# Altium PCB LimeSDR-USB_1v4s.PcbDoc (part 8 of 10) (continued)
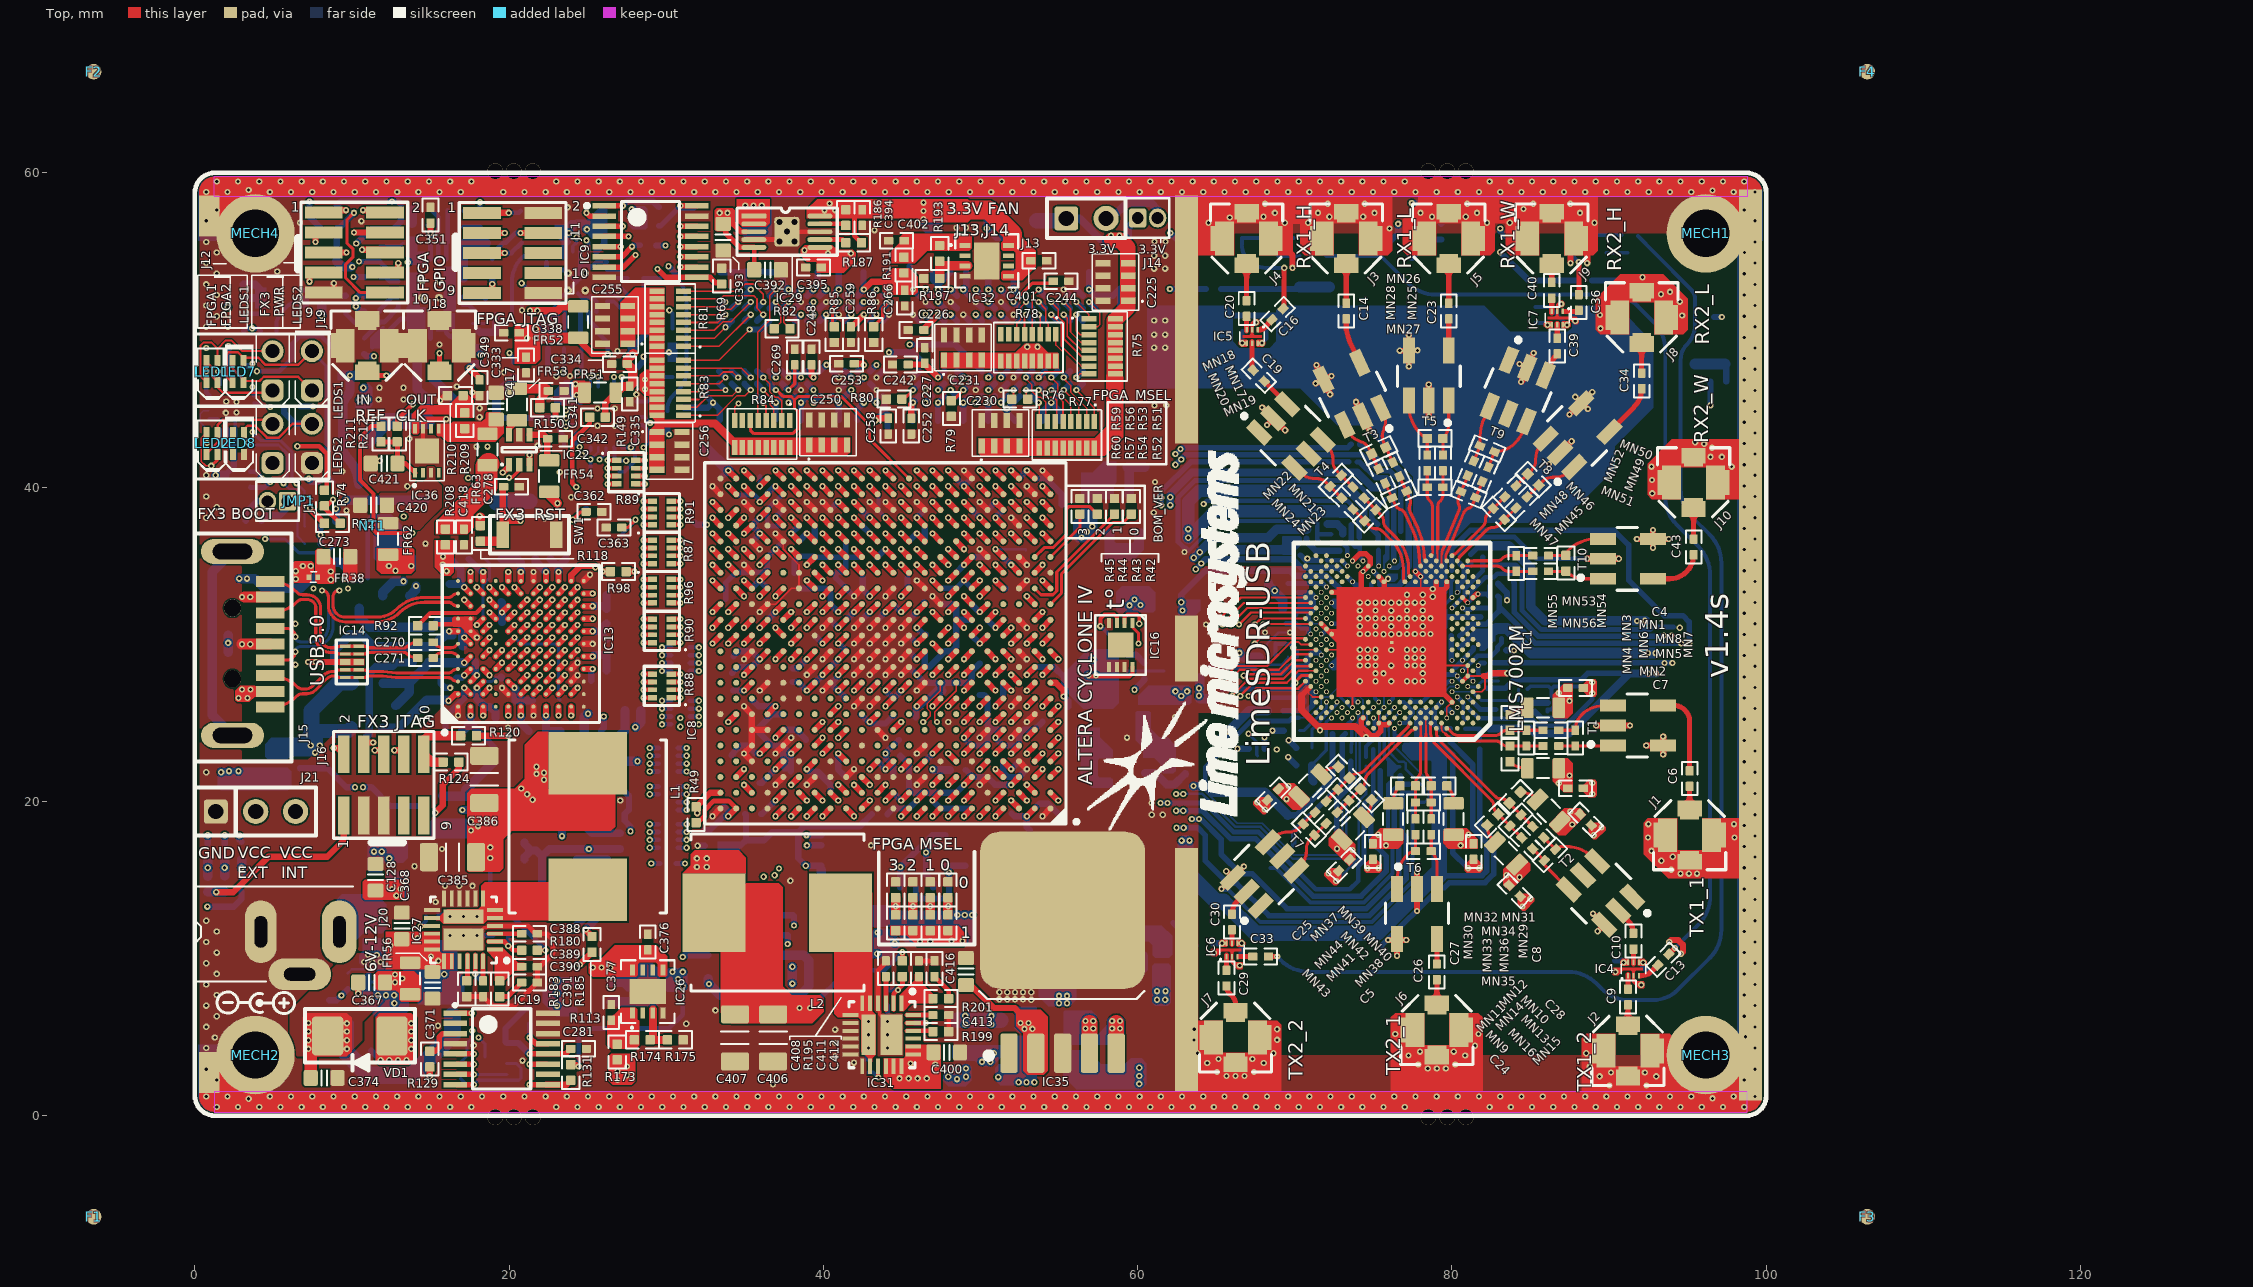
[diagram p0: Top view]
## Nets (pads, with @x,y where several pads share a name; then routed paths per layer and width w, separated by ;. In a path a pad name is that pad's centre, name@x,y a point inside that pad or via, vN(x,y) a via of type N, cw(c..) or ccw(c..) an arc to the next point about the centre after c; other vN are vias at no path point) (continued)
  Bottom w0.4: R15.2@74.445,55.712 74.52,55.637 76.062,55.637 76.575,56.15 v1(76.575,56.75) ; FR12.2@83.436,25.869 84.131,25.869 84.288,25.712 85.279,25.712 85.721,25.269 87.065,25.269 87.48,25.684 v1(87.48,26.397) 86.98,26.897 v1(86.805,26.897) ; R19.2@96.675,50.825 v1(97.175,50.825)
  Bottom w0.6: v1(63.572,35.503) 64.844,36.775 68.3,36.775 68.85,37.325 R41.1@70.75,37.325
  other v1: 61.225,7.375 61.75,7.375 61.225,7.925 61.775,7.925 84.3,15.171 83.469,15.295 73.666,16.907 75.806,17.199 80.555,17.199 75.306,17.874 81.055,17.874 87.658,18.529 63.9,18.875 87.534,19.36 69.477,20.141 69.6,20.972 86.805,21.148 87.48,21.648 62.775,41.75
VCC1P25_LMS: FR1.2 FR2.1 FR4.1 FR5.1 FR8.2 FR9.1 FR11.2 FR13.2 FR14.1 FR15.2 FR18.1 FR22.2 FR25.2 FR26.2 FR27.1 FR28.1 FR30.1 R35.1 R36.2 R38.1 R39.2 R40.1 R192.1 | length 337.4
  L10 w0.35: 61.272,39.075 v1(61.497,38.85) ; 61.272,39.1 v1(61.497,39.325) ; v1(62.45,19.4) 66.75,19.4 67.2,18.95
  L10 w0.6: 58.025,39.075 61.272,39.075
  L10 w0.8: v1(62.8,17.5) 66.35,17.5 67.5,18.65 ; v1(63.55,20.975) 67.75,20.975 69.35,19.375 69.75,19.375 ; 67.373,18.777 68.38,18.777 68.552,18.95 70.175,18.95
  L10 w1: v1(63.222,36.778) v1(63.222,37.325) 63.222,38.05 63.75,38.05 64.9,36.9 64.9,35.6 64.363,35.063 ; 65.463,41.862 65.463,41.962
  L10 w1.2: 63.222,38.05 63.222,39.622 65.463,41.862
  L10 w2: 64,43.425 65.463,41.962 68.525,38.9 82.475,38.9 87.425,33.95 89.306,33.95 v1(91.775,31.481) 91.775,30.2 ; 70.525,19.174 80.517,19.174 84.9,23.558 84.9,26.831 88.269,30.2 91.775,30.2 ; 92.225,28.35 92.225,29.75 91.775,30.2
  L10 w2.5: v1(56.775,37.15) 56.775,38.825 61.225,43.275 ; 61.375,43.425 64,43.425
  Bottom w0.11: 64.425,20.525 66.343,18.607 67.918,18.607 69.945,16.58 72.802,16.58 73.04,16.818 73.04,19.997 73.896,20.853 73.896,24.514 74.342,24.96 74.342,26.01 74.342,26.45 73.776,27.016 73.776,27.785 73.994,28.003 74.631,28.003 R35.1@74.651,28.024 ; 70.251,25.319 70.876,25.319 71.684,26.127 71.684,26.45 71.877,26.643 72.145,26.643 72.846,27.345 FR4.1@72.846,27.544
  Bottom w0.3: 64.3,20.975 64.3,22.186 67.232,25.119 69.651,25.119 69.851,25.319 70.251,25.319
  Bottom w0.35: v1(61.497,38.85) v1(61.497,39.325) 61.497,39.715 63.381,41.6 FR25.2@73.42,41.6 ; v1@62.4,42.075 62.825,42.5 73.365,42.5 FR5.1@73.59,42.725 ; v1@62.425,19.4 v1(62.45,19.4) v1(62.9,19.4) 64.143,19.4 65.915,17.627 67.512,17.627 71.164,13.975 74.227,13.975 75.805,15.553 75.805,16.511 74.831,17.485 74.831,19.656 75.426,20.251 FR13.2@75.426,21.939 ; R38.1@75.276,37.644 75.251,37.644 74.896,37.999 74.896,38.625 73.796,39.725 73.5,39.725 73.5,39.565 74.446,38.619 74.446,37.795 75.326,36.915 FR22.2@75.326,36.619 ; 79.188,15.274 81.927,15.274 82.205,15.553 82.205,17.396 81.325,18.276 81.325,22.345 79.901,23.769 FR1.2@79.901,24.064 ; FR18.1@80.505,29.775 81.544,30.814 82.689,30.814 ; FR28.1@81.191,35.714 81.587,36.11 ; R36.2@82.251,27.194 83.394,27.194 83.93,27.73 88.23,27.73 88.637,28.137 90.973,28.137 91.287,28.137
  Bottom w0.4: v1(63.693,34.775) v1(64.05,35.132) 64.318,35.4 69.87,35.4 70.406,34.864 71.765,34.864 71.77,34.869 71.772,34.869 71.777,34.864 72.325,34.864 72.33,34.869 72.776,34.869 FR26.2@72.964,34.681 ; 69.55,19.125 70.125,19.125 72.401,21.401 FR2.1@72.401,24.289
  Bottom w0.5: R39.2@82.401,24.629 84.996,24.629 85.306,24.319 87.469,24.319 91.287,28.137 ; 90.973,28.137 v1(93,28.137)
  Bottom w0.6: v1(63.55,20.975) 64.3,20.975 64.7,20.575 68.1,20.575 69.55,19.125 ; 81.752,36.275 83.612,36.275 85.005,34.882 85.005,32.381 85.904,31.481 v1(91.775,31.481) v1@92.325,31.481
  Bottom w0.7: 82.708,30.908 82.794,30.994 83.492,30.994 85.055,29.431 v1(92.475,29.431) v1@92.9,29.431
  Bottom w0.8: 72.726,38.475 64.918,38.475 v1(63.222,36.778) v1(63.222,37.325) 63.222,39.072 63.925,39.775 73.5,39.775
  Bottom w1: 63.05,17.375 63.05,15.584 65.003,13.631 65.469,13.631 67.5,11.6 75.211,11.6 79.037,15.426 ; 78.556,23.382 79.188,22.75 79.188,15.274
  other v1: 63.3,17.5 92.5,28.125 92.95,29.431 92.275,31.5 56.421,36.796 57.111,37.486 62.4,42.1 62.725,42.425
VCC1P25_LMS_DIG: R22.2 R24.2 R26.2 R28.2 R204.1 | length 45.8
  L5 w1.4: 59.85,2.375 59.85,21.375 64.4,25.925 64.4,27.95 63.075,29.275 63.075,32.575
  Bottom w0.4: 62.95,31.65 62.95,32.1 63.325,32.475 ; R28.2@63.675,32.475 63.325,32.475 ; 63.95,27.875 64.65,28.575 67.25,28.575 R22.2@67.75,28.075 ; R26.2@66.225,34.675 64.3,34.675 62.775,33.15 v1(62.775,32.675) 62.975,32.475 63.325,32.475
  Bottom w0.6: 63.95,27.875 63.95,26.525 R24.2@64.975,26.525
  other v1: 60.1,2.025 60.1,2.525 60.1,3.05 63.9,26.725 63.9,27.2 62.85,32.15
VCC2P5: FR37.1 FR47.2 R173.1 R177.2 R211.1 | length 76.9
  Top w0.25: R211.1@11.85,43.875 11.225,43.875 10.5,43.15 10.5,40.45 11.375,39.575 11.375,37.275 11.575,37.075 v1(13.85,37.075)
  L6 w0.5: v1(2.825,34.175) v1(3.325,34.175) 3.625,34.175 5.175,32.625 5.175,18.6 8.6,15.175 22.425,15.175 27.525,10.075 v1@27.525,3.15 ; v1(27.5,2.575) v1(27.5,3.125)
  Bottom w0.3: FR47.2@11,34.2 11,37.875 11.275,38.15 12.425,38.15 13.5,37.075 v1(13.85,37.075)
  Bottom w0.6: v1(2.825,34.175) v1(3.325,34.175) 3.825,34.175 4.45,33.55 6.701,33.55 7.301,34.15 7.6,34.15 8.05,34.6 8.05,34.874 8.401,35.225 9.299,35.225 FR47.2@10.324,34.2
  other v1: 26.9,2.275 48.5,2.325 47.95,2.475 49.075,2.475 26.9,2.825 49.075,3 43.425,10.3 44.55,10.975 43.45,11.65
VCC2P5A_FPGA: C132.2 C133.2 C134.2 C135.2 C136.1 C149.1 C150.1 C151.1 C152.1 FR37.2 IC8.F18 IC8.G6 IC8.T6 IC8.U18 J11.4 R52.1 R54.1 R55.2 R57.1 R58.2 R60.1 | length 120.6
  Top w0.4: v1(20.725,56.175) J11.4@22.175,56.175 ; v2(36.95,24.05) IC8.F18@37.45,24.55 ; v2(36.95,36.05) IC8.U18@37.45,35.55 ; v2(48.95,25.05) IC8.G6@49.45,25.55 ; v2(48.95,34.05) IC8.T6@49.45,34.55
  Top w0.6: R60.1@44.6,11.775 R54.1@46.8,11.775 R52.1@47.925,11.775
  L3 w0.4: v2(36.95,24.05) 37.45,24.55 38.325,24.55 39.438,23.437 39.438,22.313 40.45,21.3 40.45,17.3 43.625,14.125 47.857,14.125 48.45,13.532 48.45,12.85 v1(48.525,12.775) ; v2(48.95,25.05) 48.45,24.55 46.925,24.55 46.25,23.875 44.85,23.875 44.175,24.55 43.275,24.55 42.45,23.725 42.45,15.775 43.775,14.45 48.45,14.45 49.475,13.425 v1(49.475,12.775)
  L6 w0.25: v1(20.725,56.175) 20.125,55.575 20.125,51.2 20.775,50.55 21.907,50.55 22.325,50.132 22.325,47.118 24.093,45.35 24.1,45.35 25.125,44.325 25.125,43.693 26.768,42.05 29.05,42.05 30.55,40.55 36.076,40.55 36.45,40.176 36.45,36.55 v2(36.95,36.05)
  L6 w0.4: v2(36.95,24.05) 36.45,24.55 36.45,34.375 36.95,34.875 v2(36.95,36.05) ; v2(48.95,25.05) 48.45,25.55 48.45,33.55 v2(48.95,34.05)
  Bottom w0.3: R58.2@18.925,54.5 18.925,54.85 19.625,55.55 R55.2@19.75,55.55 ; R55.2@19.8,55.55 20.425,56.175 v1(20.725,56.175)
  Bottom w0.35: C133.2@33.8,32.875 33.8,33.925 34.45,34.575 36.147,34.575 36.425,34.853 C135.2@36.425,35.525 v2(36.95,36.05) C151.1@37.425,36.525 C151.1@37.45,36.525 ; C150.1@47.425,33.55 48.45,33.55 v2(48.95,34.05) 49.4,33.6 C136.1@49.4,33.55
  Bottom w0.4: v2(36.95,24.05) 37.45,24.55 38.275,24.55 C132.2@38.9,23.925 ; v2(48.95,25.05) C149.1@49.4,25.5
  other v1: 46.15,11.1 46.8,11.1 48.15,11.125 48.85,11.125 49,12.775
VCC3P3: C125.1 C142.2 C143.2 C144.2 C145.2 C146.1 C147.1 C148.1 C167.1 C168.1 C169.1 C170.1 C276.1 C279.1 C280.1 C281.1 C282.1 C376.2 C382.2 C385.2 C386.2 C394.2 C396.2 C401.2 C403.2 C409.2 C414.2 FR41.1 FR43.2 FR58.1 FR59.1 FR60.1 FR61.1 IC8.D4 IC8.F4 IC8.H4 IC8.K4 IC9.16 IC10.8 IC15.8 IC16.8 IC17.1 IC17.14 IC17.15 IC18.8 IC19.12 IC26.5 IC26.8 IC29.10 IC32.5 IC32.8 IC34.5 IC34.8 J13.2 J14.2 J16.1 L1.2 R61.1 R66.1 R70.1 R71.1 R73.1 R104.1 R105.1 R121.1 R123.1 R126.1 R129.1 R130.2 R132.1 R133.2 R134.1 R135.1 R171.1 R176.2 R180.1 R186.1 R187.1 | length 169
  Top w0.25: v1(56.85,28.025) 56.925,27.95 59.475,27.95 59.675,28.15 IC16.8@59.675,28.55
  Top w0.3: 41.975,57.325 41.975,56 R187.1@42.425,55.55
  Top w0.309: R180.1@21.8,10.525 v1@22.35,10.525
  Top w0.35: v1(21.3,3.925) IC19.12@22.475,3.925 23.6,3.925 C281.1@23.925,4.25 ; v1(30.9,57.9) IC9.16@31.95,57.9
  Top w0.4: v1(1.362,14.225) 2.437,14.225 4.687,16.475 8.425,16.475 9.475,17.525 J16.1@9.475,19.1 ; v1(14.95,2.5) R129.1@14.95,3.1 ; v2(50.95,24.05) IC8.F4@51.45,24.55 ; v2(50.95,26.05) IC8.H4@51.45,26.55 ; v2(50.95,28.05) IC8.K4@51.45,28.55 ; IC8.D4@51.45,22.55 v2(51.95,22.05)
  Top w1.2: 49.15,57.625 50.523,57.625 52.038,56.11 52.038,55.65
  L3 w0.6: v1@13.275,33.925 13.275,32.475 14.25,31.5 14.25,26.65 16.925,23.975 17.625,23.975 v1(21.5,20.1)
  L4 w0.35: v1(7.3,58.175) 11.15,58.175 11.675,57.65 16.472,57.65 17.847,59.025 18.625,59.025 19.375,58.275 30.525,58.275 v1(30.9,57.9)
  L5 w0.4: 2.625,40.75 2.625,40.864 4.561,42.8 5.7,42.8 6.275,43.375 6.275,44.575 6.825,45.125 v1(7.525,45.125)
  L5 w0.6: v1(1.325,40.75) 2.625,40.75 3.25,40.125 3.25,38.475 4.175,37.55 7.4,37.55 v1(8,36.95) 9,36.95 11.95,34 v1(13.275,34)
  L8 w0.6: v1(1.362,14.225) 12,14.225
  Bottom w0.2: IC17.1@0.9,44.35 1.475,44.35 1.55,44.275 2.45,44.275 2.575,44.15 IC17.14@2.575,43.675 ; R132.1@2.35,42.5 R132.1@2.575,42.725
  Bottom w0.3: IC17.15@2.075,43.675 2.075,42.775 R132.1@2.35,42.5 ; R132.1@2.575,42.725 IC17.14@2.575,43.675
  Bottom w0.309: v1(18.8,17.075) 18.8,14.075 v1@22.35,10.525
  Bottom w0.35: R66.1@29.525,56.625 29.625,56.625 v1(30.9,57.9) 31.05,57.75 C148.1@31.75,57.75
  Bottom w0.4: C282.1@1.85,40.7 2.475,41.325 2.475,42.375 R132.1@2.35,42.5 ; R171.1@6.725,45.125 v1(7.525,45.125) ; v1(7.3,58.175) 7.3,57.2 R61.1@8.025,56.475 ; R134.1@8,36.4 v1(8,36.95) R135.1@8,37.5 ; v1(21.3,3.925) 20.6,4.625 IC18.8@19.85,4.625 19.775,4.7 C279.1@19.775,5.55 21.05,6.825 R130.2@21.3,6.825 ; v2(50.95,24.05) 51.45,23.55 52.45,23.55 52.45,24.257 52.743,24.55 53.425,24.55 C143.2@53.95,25.075 ; v2(50.95,26.05) C168.1@51.425,26.525 ; v2(50.95,28.05) 51.425,28.525 C167.1@51.45,28.525 ; 51.45,26.775 C146.1@51.45,27.525 ; v2(51.95,22.05) 52.425,22.525 C170.1@52.425,22.575 ; C145.2@53.475,28.525 53.475,28.55 54.675,28.55 C142.2@55.35,27.875
  Bottom w0.5: C276.1@20.975,16.3 20.975,16.45 21.4,16.875 ; R121.1@20.975,17.4 20.975,17.3 21.4,16.875 ; R123.1@21.8,13.275 22.095,13.57 IC15.8@22.095,15.05 22.095,16.505 ; R126.1@27.075,16.975 22.565,16.975 22.095,16.505 ; J13.2@57.995,57.1 58.35,57.1 59.325,58.075 60.85,58.075 61.27,57.655 J14.2@61.27,57.125 ; 21.4,16.875 21.725,16.875 22.095,16.505
  Bottom w0.6: R104.1@0.825,14.25 R105.1@1.9,14.25 ; v1(1.325,40.75) 1.9,40.75 ; FR43.2@11.95,33.075 11.95,33.3 12.65,34 v1(13.275,34) ; R70.1@34.75,7.65 R71.1@35.85,7.65 ; R73.1@35.575,14.1 35.575,9.715 36.345,8.945 35.85,8.45 R71.1@35.85,7.65 ; C147.1@35.85,6.6 R71.1@35.85,7.65 ; v1(38.025,8.4) v1(38.025,9.475)
  other v1: 52.425,2.125 52.925,2.125 53.425,2.125 51.125,2.45 23.05,7 55,7.15 55.5,7.15 55,7.625 55.5,7.625 23.05,7.775 23.05,8.575 25.325,9.425 25.875,9.425 26.45,9.425 22.3,10.525 18.8,16.4 25.075,16.975 17.575,18.15 18.025,18.425 17.575,18.7 21.15,20.45 20.775,20.825 22.225,21.375 21.75,21.75 22.225,21.825 21.75,22.2 57.35,28.025 57.125,29.025 59.475,32.475 60.175,32.5 59.8,32.85 46.375,57.05 46.375,57.575 40.075,57.625 40.75,57.625 40.4,58.05 46.375,58.1
VCC3P3_CLK: C345.2 C349.1 C350.1 C359.1 C360.1 FR42.2 FR49.2 FR51.1 FR54.1 FR55.1 IC23.16 IC23.17 IC24.18 IC24.20 R141.1 R153.2 R154.2 R208.1 | length 75.5
  Top w0.4: v1(17.475,47.575) 18.125,46.925 C349.1@18.125,46.825
  Top w0.6: 15.625,36.325 15.625,35.05 v1(16.025,34.65) ; FR54.1@22.55,39.7 22.55,39.5 v1(23.075,38.975)
  L3 w1: v1(2.1,51.45) 3.725,51.45 5.2,49.975 8.7,49.975 10.775,47.9
  L3 w1.1: 11.625,48.75 11.625,51.65 13.8,53.825 13.8,56.375 12.575,57.6 12.575,57.85
  L3 w1.2: 11.625,48.75 10.875,48 ; 14.475,33.725 14.761,33.725 15.825,34.789 15.825,39.475 ; v1(23.075,38.975) 21.9,38.975 21.4,39.475 15.825,39.475 ; 23.325,46.15 18.823,46.15 17.398,47.575 12.9,47.575 12.475,48 10.875,48 ; 10.875,48 10.775,47.9 10.775,44.525 15.825,39.475
  L8 w0.4: v1(23.625,44.375) 23.95,44.375 24.3,44.725 v1(24.3,45.85)
  Bottom w0.25: C359.1@23.5,42.7 23.5,43.275 23.175,43.6 23.175,44.001 23.549,44.375 v1(23.625,44.375) 23.7,44.45 IC24.18@24.25,44.45
  Bottom w0.4: C350.1@9.025,57.5 9.025,57.9 9.3,58.175 v1(12.55,58.175) 12.93,58.175 FR55.1@13.1,58.005 ; R154.2@10.775,48.475 10.925,48.325 v1(11.4,48.325)
  Bottom w0.5: v1(2.1,51.45) R141.1@2.1,52.025 ; v1(17.475,47.575) 17.75,47.85 C345.2@18.175,47.85
  Bottom w0.6: FR42.2@13.675,33.075 14.075,33.475 v1(14.075,33.7)
  other v1: 15.775,35.075 15.8,35.575 10.475,45.55 11,45.575 10.725,46.325 24.225,46.55 13.55,54.3
VCC3P3_FX3: C290.2 C291.1 C292.2 C293.1 C294.2 FR41.2 IC13.B1 IC13.C11 IC13.E10 | length 11.6
  Top w0.4: v2(17.55,25.459) IC13.B1@17.55,26.025 ; IC13.C11@18.35,34.025 v2(18.35,34.591) ; v2(19.55,33.625) IC13.E10@19.95,33.225
  Bottom w0.4: C294.2@17.425,35.425 18.259,34.591 v2(18.35,34.591) ; C292.2@18,24.5 19,23.5 C291.1@19,23.275
  Bottom w0.5: C293.1@17,24.5 17.1,24.5 17.55,24.95 ; v2(17.55,25.459) 17.55,24.95 ; C292.2@18,24.5 17.55,24.95
  Bottom w0.6: FR41.2@15.775,20.35 15.8,20.325 C290.2@17.225,20.325 17.225,20.725 19,22.5 C291.1@19,23.275
VCC3P3_LMK: C334.2 C335.2 C336.2 C337.2 FR51.2 IC20.8 IC20.23 R136.2 R149.1 | length 21.7
  Top w0.4: R149.1@26.125,44.45 26.125,45.338 FR51.2@26.8,46.013
  Top w0.6: FR51.2@26.8,46.013 27.187,46.4 C335.2@27.65,46.4 ; v1@27.9,48.475 27.525,48.1 C334.2@27.525,47.825 27.875,47.475 27.875,46.625 C335.2@27.675,46.425 ; C335.2@27.65,46.4 27.675,46.4 C335.2@27.675,46.425 ; C335.2@27.65,46.4 C335.2@27.675,46.425
  L6 w0.6: v1@20.9,52.975 21.3,52.975 23.025,51.25 25.149,51.25 27.9,48.499 v1@27.9,48.475
  Bottom w0.25: v1(20.8,52.975) 21.462,52.313 IC20.8@22.375,52.313 ; IC20.23@26.225,52.313 26.687,52.313 28.025,50.975 28.025,50.708 28.675,50.058 R136.2@28.675,50.025
  Bottom w0.4: C337.2@27.85,49.15 28.125,49.15 28.675,49.7 R136.2@28.675,50.025
  Bottom w0.6: v1@27.85,48.475 C337.2@27.85,49.1
  other v1: 27.85,48.425
VCC5P0_USB: C272.1 C375.2 FR38.1 IC25.A1 IC25.B1 IC25.C1 J15.1 R167.2 | length 2.7
  Top w0.7: 3.175,27 J15.1@4.8,27
  Bottom w0.5: C272.1@10.675,7.05 11.725,7.05 11.775,7.1
  other v1: 12.7,7.15 11.638,7.663 12.163,7.663 12.688,7.663 2.775,26.575 3.35,26.575 3,27.125 3.55,27.125 6.425,34.15 6.425,34.65 6.875,34.975 7.375,34.975
VCC_CFX3: C295.2 C296.1 C297.2 FR42.1 FR43.1 FR47.1 IC13.B6 R118.2 | length 18.7
  Top w0.4: v2(17.15,30.425) IC13.B6@17.55,30.025
  Top w0.6: R118.2@18.175,37.55 v1@18.175,38.094
  L5 w0.6: v2(17.15,30.425) 16.9,30.675 16.9,31.575 16.5,31.975 16.5,34.05 16.825,34.375 16.825,36.85 v1(18.125,38.15)
  Bottom w0.6: FR47.1@10.475,32.3 10.475,31.715 11.115,31.075 FR43.1@11.95,31.075 FR42.1@13.675,31.075 15.15,31.075 15.5,31.425 16.775,31.425 C296.1@17.05,31.15 C297.2@17.05,29.9
VCC_EXT: C374.2 IC25.A4 IC25.B4 IC25.C4 R166.2 R172.1 VD1.K | length 12
  Top w0.8: C374.2@7.375,2.4 7.375,4
  Bottom w1.1: 9.125,4.525 11.075,2.575 13.823,2.575 16.4,5.152 R166.2@16.4,6.375
  other v1: 7.225,4.25 9.675,4.25 7.225,4.8 9.675,4.8 7.225,5.35 9.675,5.35 9.675,5.875 7.225,5.9 10.775,9.775 11.3,9.775 11.825,9.775 11.025,10.225 11.575,10.225
VCC_INT: C368.2 C369.2 C370.2 C371.2 C372.1 C379.2 C400.2 C419.2 FR56.1 FR62.1 IC27.16 IC27.17 IC27.18 IC27.19 IC27.20 IC31.16 IC31.17 IC31.18 IC31.19 IC31.20 J21.3 R63.1 R166.1 R167.1 | length 50.6
  L3 w2: 13.375,35.625 12.625,35.625 11.6,34.6 11.6,31.675 12.5,30.775 12.5,25.85 21.3,17.05 21.3,11.725
  L4 w0.35: v1(10.025,54) 10.15,53.875 10.525,53.875 12.675,51.725 12.675,35.3 v1(12.35,34.975)
  Bottom w0.6: R63.1@9.025,54.375 9.374,54.026 v1@9.926,54.026
  other v1: 44.85,2.375 45.425,2.375 46,2.375 46.575,2.375 47.125,3.25 45.55,3.325 15.875,9 15.5,9.85 15.025,10.125 12.45,10.825 14.175,11.3 12.775,34.675 13.775,34.975
VDD_FX3: C304.2 C305.1 C306.1 C307.1 C308.1 C309.1 C310.1 C311.1 C312.1 C313.2 C314.2 C315.2 C316.2 C317.2 C318.2 C319.2 C320.2 FR48.2 IC13.B10 IC13.C3 IC13.E9 IC13.F11 IC13.H1 IC13.J11 IC13.L5 IC13.L7 | length 22.2
  Top w0.4: v2(17.15,33.625) IC13.B10@17.55,33.225 ; v2(17.95,27.225) IC13.C3@18.35,27.625 ; v2(19.55,32.025) IC13.E9@19.95,32.425 ; IC13.F11@20.75,34.025 v2(20.75,34.591) ; v2(22.35,25.459) IC13.H1@22.35,26.025 ; IC13.J11@23.15,34.025 v2(23.15,34.591) ; IC13.L5@24.75,29.225 v2(25.316,29.225) ; IC13.L7@24.75,30.825 v2(25.316,30.825)
  Bottom w0.2: v2(17.95,27.225) 18.35,27.625 18.916,27.625 19.15,27.859 19.15,27.875 C320.2@19.5,27.875
  Bottom w0.5: 16.2,33.825 16.9,33.825 ; C319.2@16.45,35.225 16.925,34.75 16.925,33.85 16.9,33.825 ; v2(17.15,33.625) 16.95,33.825 16.9,33.825 ; v2@17.95,27.203 17.95,26.55 18.491,26.009 18.8,26.009 19.125,25.684 C312.1@19.125,25.325 ; C318.2@19.5,32.7 19.55,32.65 C310.1@19.55,31.4 ; C305.1@19.525,35.425 C313.2@20.525,35.425 20.75,35.2 v2(20.75,34.591) ; v2(22.35,25.459) 22.35,24.475 C317.2@23.275,24.475 ; C306.1@22.625,35.425 23.1,34.95 23.15,34.95 ; v2(23.15,34.591) 23.15,34.95 ; C314.2@23.625,35.425 23.15,34.95 ; v2(25.316,29.225) 25.416,29.325 C316.2@26.2,29.325 C308.1@26.2,28.325 ; v2(25.316,30.825) 25.7,30.825 ; C315.2@26.2,30.325 25.7,30.825 ; C307.1@26.2,31.325 25.7,30.825
  other v1: 1.675,21.85 2.175,21.925 2.775,21.925
VDIO_LMS: C2.1 C3.2 C380.2 C381.1 FR57.2 IC2.8 IC3.1 IC3.2 IC3.3 IC3.8 R1.2 R2.2 R3.1 R4.1 R5.2 R12.1 R13.1 R23.1 R25.1 R27.1 R29.1 R30.1 | length 125
  L3 w0.4: v1(38.875,15.9) 42.3,12.475 47.775,12.475 48.325,11.925 49.275,11.925 49.987,11.212 ; v1(43.95,23.05) 44.45,22.55 44.45,18 46.975,15.475 v1(48,15.475) 47.45,16.025 47.45,21.55 v1(46.95,22.05)
  L3 w0.8: 66.76,29.475 64.525,29.475 63.625,30.375 63.625,31.96 66.04,34.375 67.75,34.375 v1(68.725,33.4)
  L3 w1: v1(48,15.475) 49.25,15.475 51.075,13.65
  L3 w1.5: 49.8,6.2 49.8,10.5 51.075,11.775 51.075,14.25 61.125,24.3 65.075,24.3 66.225,25.45 67.575,25.45 68.45,26.325 68.45,28.275 67.75,28.975
  L5 w0.6: v1(68.725,33.4) 69.75,34.425 72.25,34.425 73.087,33.587 73.087,28.987 72.725,28.625
  Bottom w0.4: IC3.3@33.975,17.2 34.75,17.2 35.075,17.525 ; R5.2@35.025,19.2 35.075,19.15 35.075,17.525 ; IC3.8@39.875,15.9 v1(38.875,15.9) 38.4,16.375 38.4,18.032 ; R1.2@43.075,19.175 42.3,18.4 38.768,18.4 38.4,18.032 ; R3.1@44.45,21.55 44.45,22.257 44,22.707 44,23 v1(43.95,23.05) R2.2@44.8,23.9 ; R13.1@45.9,14.525 45.9,14.05 46.125,13.825 47.775,13.825 48,14.05 R12.1@48,14.525 v1(48,15.475) 48,15.675 IC2.8@47.775,15.9 C2.1@49.05,15.9 ; 35.075,17.525 36.225,17.525 36.732,18.032 38.4,18.032
  Bottom w0.5: v1@46.97,22.03 47,22 R4.1@48.05,22
  Bottom w0.6: C3.2@39.875,15.175 39.875,15.65 ; v1@65.425,24.1 67.1,25.775 R27.1@68.25,25.775 ; v1(66.475,29.45) 66.75,29.175 67.751,29.175 R25.1@67.751,29.169 ; R29.1@68.326,33.869 68.326,33.738 69.226,32.838 R23.1@69.226,32.294 ; 72.577,28.644 R30.1@72.951,29.019
  Bottom w1: C381.1@48.525,6.075 C380.2@51.275,6.075
  other v1: 49.025,5.8 50.7,5.8 49.025,6.35 50.7,6.35 65.425,24.075 65.775,24.425
  other v4: 72.351,28.644
VDIO_LMS_FPGA: C137.2 C138.2 C139.2 C140.2 C141.1 C153.1 C154.1 C155.1 C156.1 C157.1 C158.1 C159.1 C160.1 C161.1 C162.1 C163.1 C164.1 C165.1 C166.1 FR50.1 FR57.1 IC8.A2 IC8.A21 IC8.D5 IC8.D9 IC8.D11 IC8.D12 IC8.D14 IC8.D16 IC8.D18 IC8.E8 IC8.E19 IC8.G19 IC8.J20 IC8.L19 R49.2 R103.1 R149.2 R176.1 R177.1 R212.2 | length 157.7
  Top w0.3: R212.2@12.875,43.875 12.875,44.275 v1(13.875,45.275) ; v1(24.275,40) 24.025,40.25 24.025,42.936 25.125,44.036 R149.2@25.125,44.45 ; R49.2@31.9,18.65 32.011,18.65 32.45,19.089 32.45,19.45 33.025,20.025 33.975,20.025 IC8.A21@34.45,19.55
  Top w0.4: v2(33.95,19.05) IC8.A21@34.45,19.55 ; v2(34.95,27.05) IC8.J20@35.45,27.55 ; v2(35.95,23.05) IC8.E19@36.45,23.55 ; v2(35.95,29.05) IC8.L19@36.45,29.55 ; IC8.G19@36.45,25.55 v2(36.95,26.05) ; v2(36.95,22.05) IC8.D18@37.45,22.55 ; v2(38.95,22.05) IC8.D16@39.45,22.55 ; v1(40.95,23.05) IC8.D14@41.45,22.55 ; v2(42.95,22.05) IC8.D12@43.45,22.55 ; v2(43.95,22.05) IC8.D11@44.45,22.55 ; v2(45.95,22.05) IC8.D9@46.45,22.55 ; v2(46.95,23.05) IC8.E8@47.45,23.55 ; v2(49.95,22.05) IC8.D5@50.45,22.55 ; v2(52.95,19.05) IC8.A2@53.45,19.55
  L9 w0.35: v1(0.8,13.3) 2.175,13.3 4.175,15.3 28.725,15.3 29.225,14.8 30.175,14.8 30.6,15.225 30.6,19.983 30.825,20.208 30.825,21.147 31.103,21.425 31.575,21.425 v2(33.95,19.05)
  L6 w0.3: v1(13.875,45.275) 14.275,44.875 17.339,44.875 17.939,45.475 19.3,45.475 20.8,46.975
  L6 w0.6: 27.55,57.375 27.1,57.375 26.148,56.423 26.148,55.496 25.527,54.875 23.275,54.875 21.375,56.775 19.476,56.775 19.125,56.424 19.125,54.575 19.525,54.175 19.525,49.9 20.8,48.625 20.8,46.975 22.225,45.55 22.225,43.3 22.487,43.038 22.487,40.763 23.125,40.125 25.4,40.125 27.375,38.15 27.375,26.375 29.65,24.1 34.9,24.1 v2(35.95,23.05) v2(36.95,22.05) ; v1@27.825,57.225 v1@27.825,57.675
  Bottom w0.4: v1(0.8,13.3) 2.475,13.3 2.975,13.8 R103.1@2.975,14.25 ; C160.1@32.45,18.175 32.782,18.175 33.657,19.05 v2(33.95,19.05) 33.95,19.375 C156.1@33.675,19.65 ; C138.2@34.15,22.925 34.275,23.05 34.275,23.082 34.743,23.55 35.157,23.55 35.657,23.05 v2(35.95,23.05) ; C161.1@34.2,28.175 34.575,28.55 35.45,28.55 v2(35.95,29.05) 35.45,29.55 34.6,29.55 C153.1@34.275,29.225 ; C162.1@34.25,27.05 34.93,27.05 v2@34.94,27.04 ; C163.1@35.475,26.45 35.875,26.05 v2(36.95,26.05) ; C137.2@35.95,21.175 36.075,21.175 v2(36.95,22.05) ; v2(38.95,22.05) 39.1,21.9 C158.1@39.525,21.9 39.625,21.9 40.45,21.075 C140.2@40.45,20.575 ; v1(40.95,23.05) 40.95,22.025 C164.1@41.425,21.55 ; v2(42.95,22.05) C159.1@43.45,22.55 v2(43.95,22.05) ; v2(45.95,22.05) 46.425,22.525 C154.1@46.45,22.525 46.95,23.025 v2(46.95,23.05) ; v2(49.95,22.05) 50.45,22.55 C157.1@50.45,22.575 ; C165.1@51.975,19.225 52.15,19.05 v2(52.95,19.05) ; C166.1@53.125,18.175 52.95,18.35 v2(52.95,19.05) ; C139.2@54.95,19.2 54.3,19.85 C155.1@53.75,19.85 v2(52.95,19.05)
  Bottom w0.6: R177.1@48.5,3.975 R176.1@51.35,3.975
  other v1: 50.1,3.425 50.625,3.425 50.85,3.975 27.8,57.225 27.8,57.675
VDIO_LMS_LMK: C329.2 C330.2 C331.2 C332.2 FR50.2 IC20.14 IC20.18 | length 5
  Bottom w0.25: IC20.14@23.55,54.988 IC20.14@23.55,55.325
  Bottom w0.4: C329.2@24.25,56.7 24.525,56.7 24.925,56.3 25.032,56.3 25.332,56 26.05,56 26.05,55.488 IC20.18@25.55,54.988 ; C330.2@27.65,47.625 28.175,47.625 28.55,48 v1(28.55,48.3)
  other v1: 23.8,56.175 24.95,56.4
VREF_DDR2: C103.1 C104.1 C105.1 C106.1 C107.1 C108.1 C109.1 C110.1 C111.1 C112.1 C113.1 C114.1 C244.1 C269.1 C395.1 IC8.AA18 IC8.AB4 IC8.M5 IC8.P5 IC8.R5 IC8.T3 IC8.U11 IC8.V9 IC8.V12 IC8.V16 IC8.W14 IC8.Y4 IC11.J2 IC12.J2 IC29.6 | length 29.9
  Top w0.2: v1(37.775,46.175) 38.175,46.575 C269.1@38.175,47.725 ; v1(52.1,51.775) 53.3,52.975 C244.1@54.425,52.975
  Top w0.4: v2(36.95,40.05) IC8.AA18@37.45,39.55 ; v2(38.95,37.05) IC8.V16@39.45,36.55 ; v2(40.95,38.05) IC8.W14@41.45,37.55 ; v2(42.95,37.05) IC8.V12@43.45,36.55 ; v2(43.95,36.05) IC8.U11@44.45,35.55 ; v2(45.95,37.05) IC8.V9@46.45,36.55 ; v2(49.95,30.05) IC8.M5@50.45,30.55 ; v2(49.95,32.05) IC8.P5@50.45,32.55 ; v2(49.95,33.05) IC8.R5@50.45,33.55 ; v2(50.95,39.05) IC8.Y4@51.45,38.55 ; v2(50.95,41.05) IC8.AB4@51.45,40.55 ; v2(51.95,35.05) IC8.T3@52.45,34.55
  L3 w0.4: v2(49.95,30.05) 49.45,30.55 49.45,31.55 v2(49.95,32.05)
  L4 w1: v2(49.95,32.05) v2(49.95,33.05) 51.55,33.05 51.95,33.45 v2(51.95,35.05)
  Bottom w0.4: C103.1@36.425,39.575 36.9,40.05 v2(36.95,40.05) ; IC12.J2@37.375,46.575 v1(37.775,46.175) ; C104.1@38.45,36.6 38.5,36.6 v2(38.95,37.05) ; v2(40.95,38.05) C105.1@41.45,37.55 ; C106.1@42.425,37.525 42.475,37.525 v2(42.95,37.05) ; C107.1@43.425,35.525 v2(43.95,36.05) ; C108.1@45.475,36.575 v2(45.95,37.05) ; C112.1@49.425,32.55 49.925,32.05 v2(49.95,32.05) ; C114.1@49.45,30.525 49.475,30.525 v2(49.95,30.05) C113.1@50.425,30.525 ; C110.1@50.45,38.525 50.95,39.025 v2(50.95,39.05) ; v2(50.95,41.05) 51.425,40.575 C109.1@51.45,40.575 ; C111.1@51.425,35.575 v2(51.95,35.05) ; v1(52.1,51.775) IC11.J2@52.5,51.375
  other v1: 40.3,54.875 41.75,54.875 38.8,55.075
VTT_DDR2: C225.1 C225.2 C225.3 C225.4 C230.1 C230.2 C230.3 C230.4 C231.1 C231.2 C231.3 C231.4 C250.1 C250.2 C250.3 C250.4 C255.1 C255.2 C255.3 C255.4 C256.1 C256.2 C256.3 C256.4 C392.2 C393.2 IC29.3 IC29.5 R75.9 R75.10 R75.11 R75.12 R75.13 R75.14 R75.15 R75.16 R77.9 R77.10 R77.11 R77.12 R77.13 R77.14 R77.15 R77.16 R78.9 R78.10 R78.11 R78.12 R78.13 R78.14 R78.15 R78.16 R81.9 R81.10 R81.11 R81.12 R81.13 R81.14 R81.15 R81.16 R83.9 R83.10 R83.11 R83.12 R83.13 R83.14 R83.15 R83.16 R84.9 R84.10 R84.11 R84.12 R84.13 R84.14 R84.15 R84.16 | length 73.4
  Top w0.3: IC29.5@35.575,55.25 35.6,55.225 C392.2@35.6,53.825
  Top w0.35: C393.2@33.625,56.75 C393.2@33.8,56.75 ; IC29.3@35.075,56.25 34.75,56.25 34.25,56.75 C393.2@33.8,56.75 ; IC29.5@35.575,55.25 34.698,55.25 33.8,56.148 C393.2@33.8,56.75
  Top w0.5: 29.65,44.1 29.7,44.05 33.1,44.05 R84.9@34.35,42.8
  Top w1: 58.35,55.7 58.9,55.7 59.375,55.225 59.375,51.45 58.525,50.6 58.525,46.275
  L5 w0.8: 44.85,53.875 45,53.725 45,50.685 46.76,48.925 v1(53.625,48.925)
  L5 w1.2: 28.7,46.575 29.425,46.575 31.25,48.4 31.25,51.725 33.675,54.15 33.95,53.875 44.85,53.875 54.175,53.875 55.9,55.6 58.75,55.6
  L5 w2: 33.675,54.15 33.675,57.375
  other v1: 28.65,46.225 28.65,46.85 52.975,48.925 58.3,56 58.85,56 33.4,57.45 33.9,57.45